# Altium PCB PCB.PcbDoc (part 1 of 2) (continued)
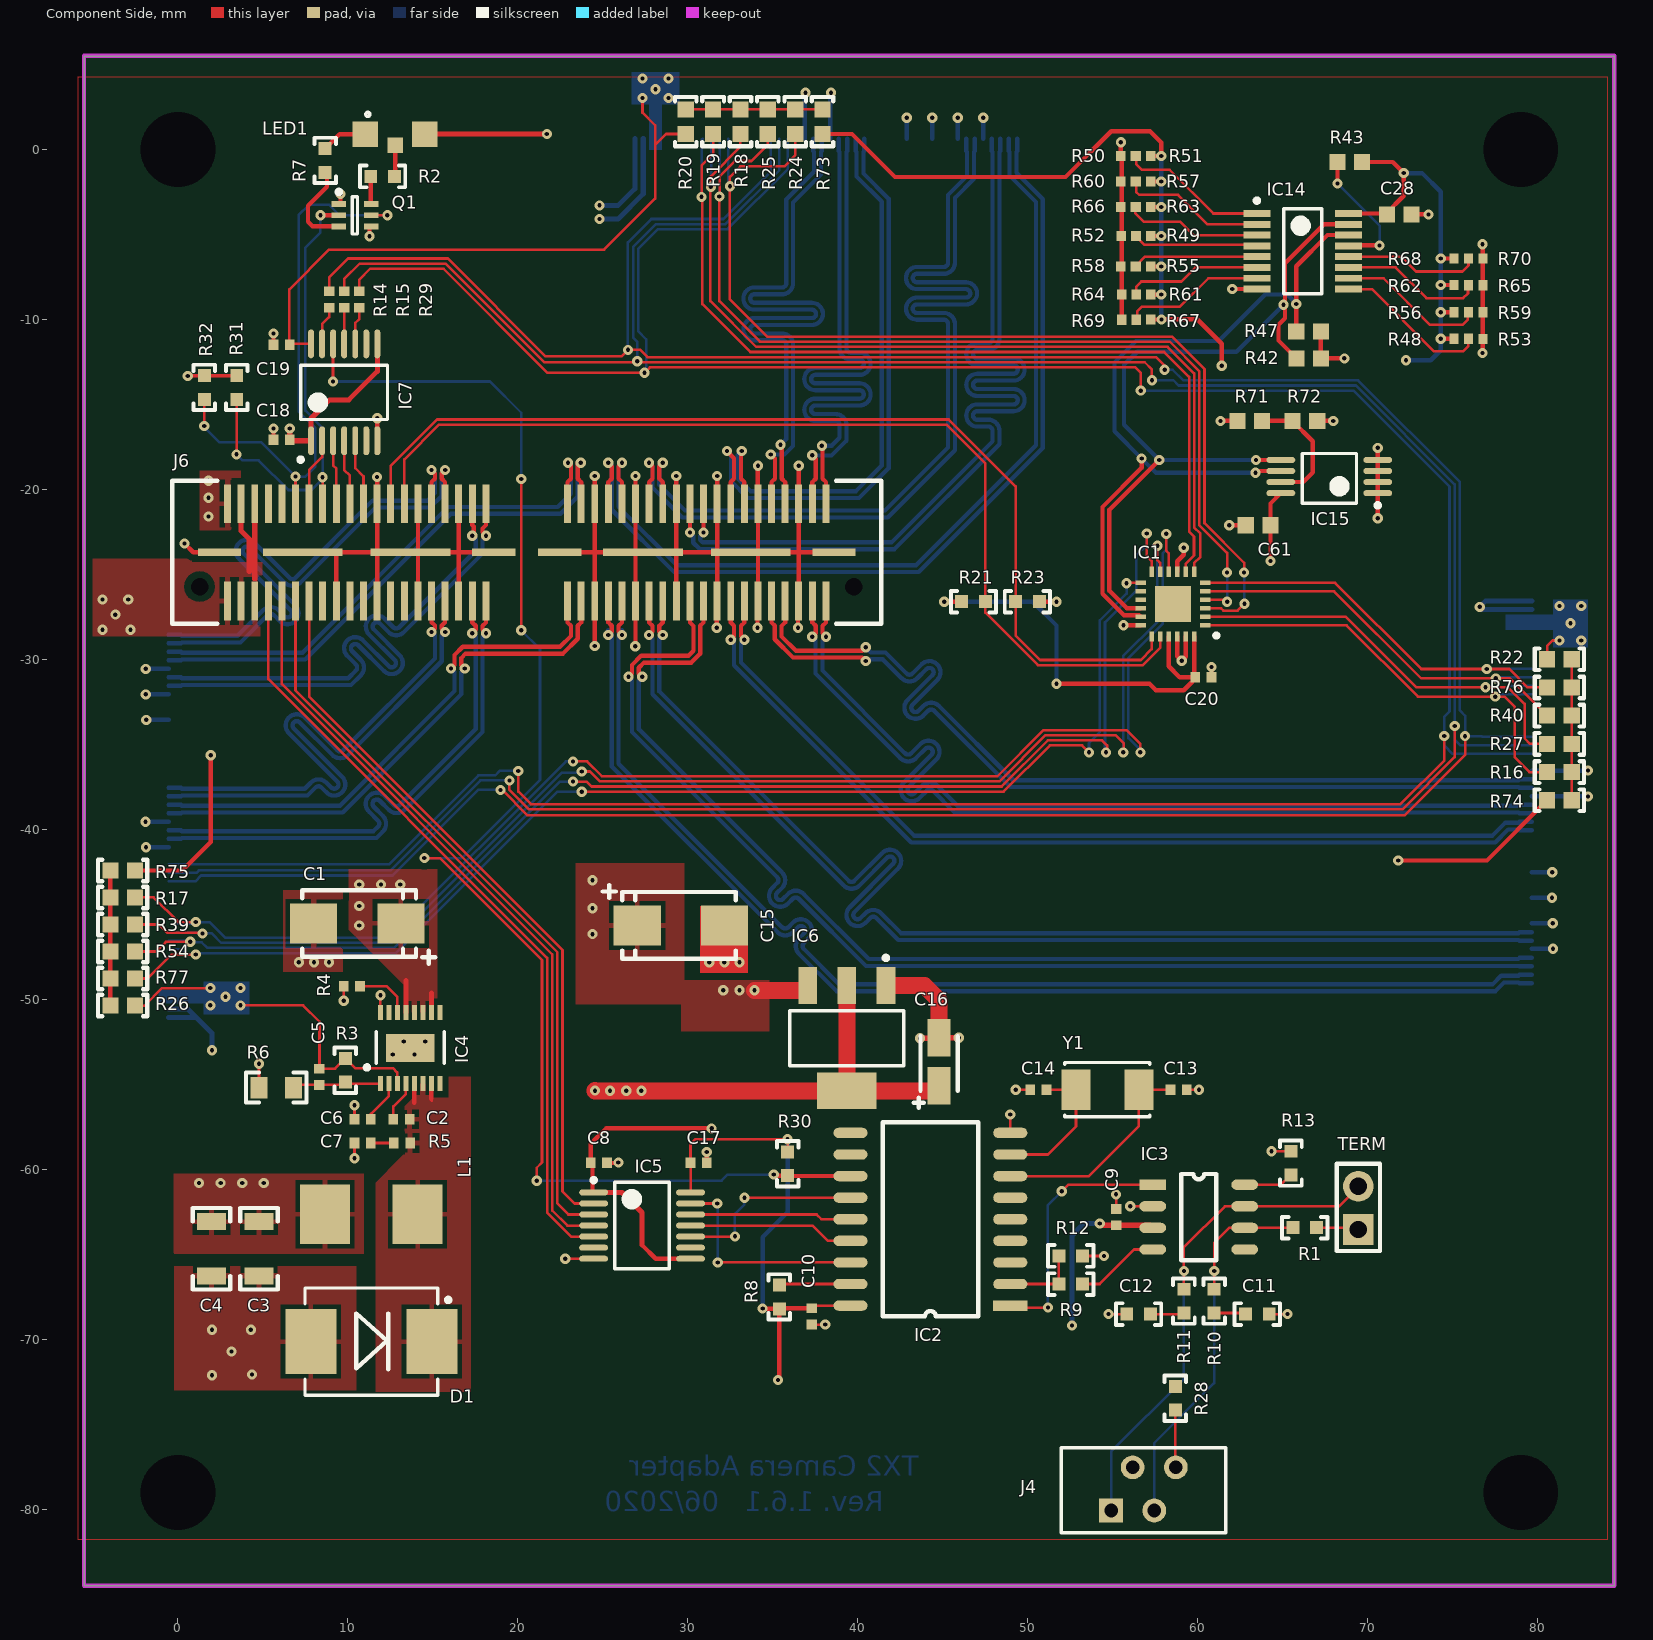
[diagram p0: Component Side view]
## Components (designator, comment, footprint, x,y, rotation, side; value= is the part's Value field where it differs from the comment) (continued)
SP4 "9774030960R" 9774030960 79,-79 r180 bottom
TERM "HEADER_1X2_male" "HEADER_1X2_male 2.54mm" 69.445,-63.529 r90 top
Y1 "20MHz" TXC_7A 54.679,-55.309 r0 top

## Footprints (in the part's own frame and the unit in brackets; to place one, negate y for a bottom-side part, rotate by r counter-clockwise, add the part's x,y. Pads: shape width x height; smd on the part's side, far side on the other; paste and mask are expansions set on the pad)
0402#1 [mm]
  rect 0.57x0.62 smd: 1(-0.48,0) 2(0.48,0)
  body extent -0.55,-0.3 0.55,0.3, height 0.5
0402#2 [mm]
  rect 0.55x0.6 smd: 1(-0.425,0) 2(0.425,0)
  body extent -0.5,-0.25 0.52,0.25, height 0.35
0603#1 [mil]
  rect 30x30 smd: 1(-27.5,0) 2(27.5,0)
  silkscreen extent -53,-25 52,25, body extent -30,-15 30,15, height 31
0603#2 [mil]
  rect 37.4x37.4 smd: 1(-28.54,0) 2(28.54,0)
  body extent -31,-16 32,16, height 18
0603#3 [mil]
  rect 30x30 smd: 1(0,0) 2(55,0)
  silkscreen extent -25,-25 80,25, body extent -5,-16 60,16, height 18
0805 [mil]
  rect 40x50 smd: 1(-40,0) 2(40,0)
  silkscreen extent -70,-35 70,35, body extent -41,-25 38,25, height 24
1206 [mm]
  rect 1.016x1.7 smd: 1(-1.6,0) 2(1.6,0)
  silkscreen extent -2.4,-1.1 2.4,1.1, body extent -2.1,-0.89 2.1,0.91, height 0.95
9774030960 [mm] "SMD Steel Spacer ? 3.3 Internal non stop, Length 3mm"
  round 7.4 / inner round 0 / far side round 0 hole 4.4 paste-403.566: 1(0,0)
  body extent -3,-2.99 2.98,2.99, height 3.01
68715014522_FLIPPED [mm] "50 pins"
  rect 0.3x1.2 smd: 1(12.25,0.99) 2(11.75,0.99) 3(11.25,0.99) 4(10.75,0.99) 5(10.25,0.99) 6(9.75,0.99) 7(9.25,0.99) 8(8.75,0.99) 9(8.25,0.99) 10(7.75,0.99) 11(7.25,0.99) 12(6.75,0.99) 13(6.25,0.99) 14(5.75,0.99) 15(5.25,0.99) 16(4.75,0.99) 17(4.25,0.99) 18(3.75,0.99) 19(3.25,0.99) 20(2.75,0.99) 21(2.25,0.99) 22(1.75,0.99) 23(1.25,0.99) 24(0.75,0.99) 25(0.25,0.99) 26(-0.25,0.99) 27(-0.75,0.99) 28(-1.25,0.99) 29(-1.75,0.99) 30(-2.25,0.99) 31(-2.75,0.99) 32(-3.25,0.99) 33(-3.75,0.99) 34(-4.25,0.99) 35(-4.75,0.99) 36(-5.25,0.99) 37(-5.75,0.99) 38(-6.25,0.99) 39(-6.75,0.99) 40(-7.25,0.99) 41(-7.75,0.99) 42(-8.25,0.99) 43(-8.75,0.99) 44(-9.25,0.99) 45(-9.75,0.99) 46(-10.25,0.99) 47(-10.75,0.99) 48(-11.25,0.99) 49(-11.75,0.99) 50(-12.25,0.99)
  rect 2.7x3 smd: M(-14.18,-0.99) M(14.18,-0.99)
  silkscreen extent -15.8,-3.71 15.8,1.89, body extent -15.7,-3.71 15.7,1.39, height 2.06
DBQ0016A [mm]
  rect 1.6x0.41 smd: 1(-2.7,2.222) 2(-2.7,1.587) 3(-2.7,0.953) 4(-2.7,0.318) 5(-2.7,-0.318) 6(-2.7,-0.953) 7(-2.7,-1.587) 8(-2.7,-2.222) 9(2.7,-2.222) 10(2.7,-1.587) 11(2.7,-0.953) 12(2.7,-0.318) 13(2.7,0.318) 14(2.7,0.953) 15(2.7,1.587) 16(2.7,2.222)
  silkscreen extent -2.82,-2.5 1.13,3.1, body extent -2,-2.5 2,2.5, height 1.75
"HEADER_1X2_male 2.54mm" [mm] "Pinhead male 1x2 pitch 2.54mm straight"
  rect 1.8x1.8 hole 1.02: 1(0,0)
  round 1.8 hole 1.02: 2(2.54,0)
  silkscreen extent -1.27,-1.27 3.86,1.27, body extent -1.17,-1.25 3.91,1.25, height 8.33
KEMET_A [mm] "Kemet A size package. Low desity level"
  rect 2.2x1.35 smd: 1(-1.41,0) 2(1.41,0)
  silkscreen extent -2.71,-1.1 1.49,1.5, body extent -1.81,-0.9 1.59,0.9, height 1.81
KEMET_C [mm] "Kemet C size package. Low desity level"
  rect 2.77x2.35 smd: 1(-2.57,0) 2(2.57,0)
  silkscreen extent -4.6,-1.95 3.23,2.38, body extent -3.25,-1.73 3.05,1.77, height 2.81
LED-LiteON-LTST-S326KGJRKT [mm] "LED LiteON LTST-S326KGJRKT Red Green"
  rect 1.5x1.5 smd: A(1.75,0) C1(-1.75,0)
  rect 0.9x0.9 smd: C2(0,-0.65)
  silkscreen extent -1.72,1.04 -1.49,1.28, body extent -1.5,-0.5 1.5,1.5, height 1
LT3976EMSE [mm]
  rect 0.889x0.305 smd: 1(-2.095,1.75) 2(-2.095,1.25) 3(-2.095,0.75) 4(-2.095,0.25) 8(-2.095,-1.75) 9(2.095,-1.75) 13(2.095,0.25) 14(2.095,0.75) 15(2.095,1.25) 16(2.095,1.75) SW(-2.095,-1.25) SW(-2.095,-0.75) SW(-2.095,-0.25) VIN(2.095,-1.25) VIN(2.095,-0.75) VIN(2.095,-0.25)
  rect 1.651x2.845 smd: GND(0,0)
  silkscreen extent -1.27,-2 0.95,2.66, body extent -1.65,-2.03 1.65,2.03, height 1.1
QTE-040-03-L-D-A [mm]
  round 0 hole 1.02 unplated: 0(-19.24,2.03) 0(19.24,2.03)
  rect 0.41x2.27 smd: 1(-17.603,2.87) 2(-17.603,-2.86) 3(-16.803,2.87) 4(-16.803,-2.86) 5(-16.003,2.87) 6(-16.003,-2.86) 7(-15.203,2.87) 8(-15.203,-2.86) 9(-14.403,2.87) 10(-14.403,-2.86) 11(-13.603,2.87) 12(-13.603,-2.86) 13(-12.803,2.87) 14(-12.803,-2.86) 15(-12.003,2.87) 16(-12.003,-2.86) 17(-11.203,2.87) 18(-11.203,-2.86) 19(-10.403,2.87) 20(-10.403,-2.86) 21(-9.603,2.87) 22(-9.603,-2.86) 23(-8.803,2.87) 24(-8.803,-2.86) 25(-8.003,2.87) 26(-8.003,-2.86) 27(-7.203,2.87) 28(-7.203,-2.86) 29(-6.403,2.87) 30(-6.403,-2.86) 31(-5.603,2.87) 32(-5.603,-2.86) 33(-4.803,2.87) 34(-4.803,-2.86) 35(-4.003,2.87) 36(-4.003,-2.86) 37(-3.203,2.87) 38(-3.203,-2.86) 39(-2.403,2.87) 40(-2.403,-2.86) 41(2.4,2.87) 42(2.4,-2.86) 43(3.2,2.87) 44(3.2,-2.86) 45(4,2.87) 46(4,-2.86) 47(4.8,2.87) 48(4.8,-2.86) 49(5.6,2.87) 50(5.6,-2.86) 51(6.4,2.87) 52(6.4,-2.86) 53(7.2,2.87) 54(7.2,-2.86) 55(8,2.87) 56(8,-2.86) 57(8.8,2.87) 58(8.8,-2.86) 59(9.6,2.87) 60(9.6,-2.86) 61(10.4,2.87) 62(10.4,-2.86) 63(11.2,2.87) 64(11.2,-2.86) 65(12,2.87) 66(12,-2.86) 67(12.8,2.87) 68(12.8,-2.86) 69(13.6,2.87) 70(13.6,-2.86) 71(14.4,2.87) 72(14.4,-2.86) 73(15.2,2.87) 74(15.2,-2.86) 75(16,2.87) 76(16,-2.86) 77(16.8,2.87) 78(16.8,-2.86) 79(17.6,2.87) 80(17.6,-2.86)
  rect 2.54x0.43 smd: 81(-18.069,-0.002) 84(-1.942,-0.002) 85(1.942,-0.001) 88(18.069,-0.001)
  rect 4.7x0.43 smd: 82(-13.178,-0.002) 83(-6.832,-0.001) 86(6.832,-0.001) 87(13.178,-0.001)
  silkscreen extent -20.86,-4.2 20.86,4.2, body extent -20.03,-3.56 19.97,3.56, height 10.06
SMC-403-03 [mm] "SMC-403-03 package"
  rect 3x3.81 smd: A(-3.56,0) C(3.56,0)
  silkscreen extent -3.9,-3.15 4.65,3.15, body extent -4.13,-3.13 3.87,2.82, height 2.2
SOIC-8 [mil]
  rect 62x24 smd: 1(0,0)
  oval 62x24 smd: 2(0,-50) 3(0,-100) 4(0,-150) 5(213,-150) 6(213,-100) 7(213,-50) 8(213,0)
  silkscreen extent 66,-175 147,25, body extent -17,-173 227,23, height 69
SOIC-18 [mil]
  rect 79x24 smd: 1(0,0)
  oval 79x24 smd: 2(0,-50) 3(0,-100) 4(0,-150) 5(0,-200) 6(0,-250) 7(0,-300) 8(0,-350) 9(0,-400) 10(370,-400) 11(370,-350) 12(370,-300) 13(370,-250) 14(370,-200) 15(370,-150) 16(370,-100) 17(370,-50) 18(370,0)
  silkscreen extent 74,-425 296,25, body extent -13,-427 393,27, height 104
SOT223 [mm] "SOT-223/SC-73; 4 Leads; Body 6.7 x 7.3 mm, inc. leads (LxW max)"
  rect 1.1x2.15 smd: 1(-2.3,-3.1) 2(0,-3.1) 3(2.3,-3.1)
  rect 3.5x2.15 smd: 4(0,3.1)
  silkscreen extent -3.35,-4.85 3.35,1.63, body extent -3.25,-3.48 3.25,3.48, height 1.61
SOT-363 [mm] "6-Leads, Body 2.00x2.10mm, Pitch 0.65mm, IPC Medium Density"
  rect 0.85x0.35 smd: 1(-0.95,0.65) 2(-0.95,0) 3(-0.95,-0.65) 4(0.95,-0.65) 5(0.95,0) 6(0.95,0.65)
  silkscreen extent -1.07,-1.1 0.15,1.5, body extent -1.15,-1.05 1.15,1.05, height 1
TSSOP-8 [mm]
  oval 1.7x0.35 smd: 1(-2.85,0.975) 2(-2.85,0.325) 3(-2.85,-0.325) 4(-2.85,-0.975) 5(2.85,-0.975) 6(2.85,-0.325) 7(2.85,0.325) 8(2.85,0.975)
  silkscreen extent -2.97,-1.36 1.6,1.82, body extent -3.2,-1.5 3.2,1.5, height 1.21
TSSOP-14 [mm]
  oval 1.7x0.35 smd: 1(-2.85,1.95) 2(-2.85,1.3) 3(-2.85,0.65) 4(-2.85,0) 5(-2.85,-0.65) 6(-2.85,-1.3) 7(-2.85,-1.95) 8(2.85,-1.95) 9(2.85,-1.3) 10(2.85,-0.65) 11(2.85,0) 12(2.85,0.65) 13(2.85,1.3) 14(2.85,1.95)
  silkscreen extent -2.97,-2.55 1.6,2.8, body extent -2.25,-2.55 2.25,2.55, height 1.1
TXC_7A [mm]
  rect 1.7x2.4 smd: 1(-1.85,0) 2(1.85,0)
  silkscreen extent -2.5,-1.6 2.5,1.6, body extent -2.58,-1.68 2.58,1.68, height 1.35
VQFN-24 [mm]
  rect 2.1x2.1 smd: 0(0,0)
  rect 0.25x0.6 smd: 1(1.25,1.9) 2(0.75,1.9) 3(0.25,1.9) 4(-0.25,1.9) 5(-0.75,1.9) 6(-1.25,1.9) 13(-1.25,-1.9) 14(-0.75,-1.9) 15(-0.25,-1.9) 16(0.25,-1.9) 17(0.75,-1.9) 18(1.25,-1.9)
  rect 0.6x0.25 smd: 7(-1.9,1.25) 8(-1.9,0.75) 9(-1.9,0.25) 10(-1.9,-0.25) 11(-1.9,-0.75) 12(-1.9,-1.25) 19(1.9,-1.25) 20(1.9,-0.75) 21(1.9,-0.25) 22(1.9,0.25) 23(1.9,0.75) 24(1.9,1.25)
  silkscreen extent 1.76,2.46 1.94,2.64, body extent -2.01,-2.01 2.01,2.01, height 0.8
WE-LHMI [mm]
  rect 2.95x3.5 smd: 1(-2.725,0) 2(2.725,0)
  body extent -3.71,-3.17 3.59,3.43, height 4.81
WE_690368190472 [mm] "Female Connector, THT, Angled, 04p"
  rect 1.4x1.4 hole 0.8: 1(-1.905,-1.27)
  round 1.4 hole 0.8: 2(-0.635,1.27) 3(0.635,-1.27) 4(1.905,1.27)
  silkscreen extent -4.84,-2.58 4.84,2.42, body extent -4.84,-2.58 4.84,2.42, height 5.85

## Part data
C1: library part C_22u_KEMET_C, "Tantalum SMT Capacitor 22uF Case KEMET_C"
C2: library part C_470n_0402_16V, "MLCC SMT Capacitor 470nF 0402 16V"
C3 C4: library part C_47u_1206, "MLCC SMT Capacitor 47uF 1206"
C5: library part C_10p_0402, "MLCC SMT Capacitor 10pF 0402"
C6: library part C_10n_0402, "MLCC SMT Capacitor 10nF 0402"
C7: library part C_470p_0402, "MLCC SMT Capacitor 470pF 0402"
C8 C9 C10 C17 C18 C19 C20: library part C_100n_0402, "MLCC SMT Capacitor 100nF 0402"
C11 C12: library part C_560p_0603, "MLCC SMT Capacitor 560pF 0603"
C13 C14: library part C_18p_0402, "MLCC SMT Capacitor 18pF 0603"
C15: library part C_10u_KEMET_C, "Tantalum SMT Capacitor 10uF Case KEMET_C"
C16: library part C_10u_KEMET_A, "Tantalum SMT Capacitor 10uF Case KEMET_A"
C28 C61: library part C_100n_0603, "MLCC SMT Capacitor 100nF 0603"
D1: "ON SEMICONDUCTOR  MBRS540T3G  Rectifier Diode, Single, 40 V, 5 A, 500 mV, 190 A, 150 °C"
IC1: "TCA9548ARGER  I2C SWITCH W/ RESET, 8-CH, VQFN-24"
IC2: library part MCP2515-I/SO, "CAN CONTROLLER, SPI, 1MBPS"
IC3: library part MCP2551-I/SN, "MCP2551-I/SN  IC, CAN TRANSCEIVER, HI SPEED, SMD"
IC4: "LINEAR TECHNOLOGY  LT3976EMSE#PBF  DC-DC CONVERTER, 2MHZ, 5A, MSOP-16"
IC5 IC7: "4 bit voltage level translator"
IC6: library part NCV1117ST50T3G, "ON SEMICONDUCTOR  NCV1117ST50T3G  Fixed LDO Voltage Regulator, 20V in, 1.07V Dropout, 5V/1A out, SOT-223-3"
IC14: "Remote 8bit I2C SMBus I/O expander"
IC15: library part RM24C128DS, "EEPROM with UID and OTP registers."
J1 J2 J3: library part WE-687-150-145-22_FLIPPED, "0.50mm SMT ZIF Horizontal Bottom Contact WR-FPC"
J6: "SAMTEC  QTE-040-03-L-D-A  Stacking Board Connector, Dual Row, QTE Series, 80 Contacts, Header, 0.8 mm, Surface Mount"
L1: library part Wurth-74437346033, "3.3 uH, 5.0A, 0.03 ohm, SMD Power Inductor"
LED1: "Standard LEDs - SMD Green/Red Clear 571nm/631nm"
Q1: "20 V, dual N-channel Trench MOSFET"
R1: library part R_120R_0603, "SMT Resistor 120R 0603"
R2 R7: library part R_470R_0603, "SMT Resistor 470R 0603"
R3: library part R_1M_0603_0.1%, "SMT Resistor 1M 0603 0.1%"
R4: library part R_130k_0402, "SMT Resistor 2R 0402"
R5: library part R_2R_0402, "SMT Resistor 2R 0402"
R6: library part R_576k_0805_0.1%, "SMT Resistor 576k 0805 0.1%"
R8 R13: library part R_4k7_0603, "SMT Resistor 4k7 0603"
R9 R30: library part R_10k_0603, "SMT Resistor 10k 0603"
R10 R11: library part R_100R_0603, "SMT Resistor 100R 0603"
R12: library part R_18k_0603, "SMT Resistor 18k 0603"
R14 R15 R29 R48 R49 R50 R51 R52 R53 R55 R56 R57 R58 R59 R60 R61 R62 R63 R64 R65 R66 R67 R68 R69 R70: library part R_0R_0402, "SMT Resistor 0402"
R16 R17 R18 R19 R21 R23 R24 R25 R27 R31 R32 R39 R40 R54 R76 R77: library part R_2k_0603, "SMT Resistor 2k 0603"
R20 R22 R26 R28 R71 R72 R73 R74 R75: library part R_0R_0603, "SMT Resistor 0R 0603"
R42 R43 R47: library part R_2k2_0603, "SMT Resistor 2k2 0603"
SP1 SP2 SP3 SP4: library part 9774030960, "ROUND SPACER STEEL 3MM unthreaded"
TERM: "1x2 pinhead male"
Y1: library part CRYSTAL_20MHz_SMD_TXC, "CRYSTAL, 20.000MHZ"

## Via types
v1: diameter 0.6, hole 0.25, Component Side to Solder Side, 259 vias
v2: diameter 0.6, hole 0.25, Component Side to Solder Side, tented both sides, 4 vias
v3: diameter 0.6, hole 0.25, Component Side to Solder Side, tented bottom, 1 vias

## Nets (pads, with @x,y where several pads share a name; then routed paths per layer and width w, separated by ;. In a path a pad name is that pad's centre, name@x,y a point inside that pad or via, vN(x,y) a via of type N, cw(c..) or ccw(c..) an arc to the next point about the centre after c; other vN are vias at no path point)
1V8: C8.2 C18.2 C20.2 C28.2 C61.2 IC1.21 IC1.24 IC5.1 IC5.8 IC7.1 IC7.8 IC14.16 IC15.8 J6.80 R21.1 R23.1 R42.2 R43.2 R47.2 R48.2 R49.2 R51.1 R55.2 R56.2 R57.1 R61.2 R62.2 R63.1 R67.2 R68.2 R71.2 R73.1 R74.1 R75.1 | length 153.8
  Component Side w0.254: R75.1@-2.529,-42.407 0.253,-42.407 1.926,-40.734 v1(1.926,-35.637) ; C8.2@24.285,-59.719 24.387,-59.719 24.387,-61.282 IC5.1@24.455,-61.35 ; C8.2@24.285,-59.617 24.285,-58.493 25.196,-57.582 v1(31.396,-57.582) ; 27.305,-64.443 28.112,-65.25 IC5.8@30.155,-65.25 ; R73.1@37.921,0.918 39.655,0.918 42.188,-1.615 52.212,-1.615 54.903,1.076 57.186,1.076 57.85,0.412 v1(57.85,-0.382) R51.1@57.221,-0.382 ; v1(45.085,-26.597) R21.1@46.101,-26.597 ; R23.1@50.673,-26.597 v1(51.689,-26.597) ; v1(51.689,-31.423) 57.15,-31.423 57.531,-31.804 59.171,-31.804 59.845,-31.13 C20.2@59.845,-31.042 ; R61.2@57.221,-8.532 v1(57.85,-8.532) ; R55.2@57.221,-6.882 v1(57.85,-6.882) ; R49.2@57.221,-5.082 v1(57.85,-5.082) ; R63.1@57.221,-3.382 v1(57.85,-3.382) ; R57.1@57.221,-1.882 v1(57.85,-1.882) ; R67.2@57.235,-9.999 v1(57.864,-9.999) ; v1@57.85,-9.985 59.96,-9.985 61.403,-11.428 v1(61.403,-12.714) ; IC1.21@58.286,-28.638 58.286,-30.4 58.928,-31.042 C20.2@59.845,-31.042 ; IC1.24@59.786,-28.638 59.786,-30.983 C20.2@59.845,-31.042 ; v1(61.327,-15.962) R71.2@62.333,-15.962 ; v1(64.27,-24.201) C61.2@64.27,-22.097 64.27,-20.82 IC15.8@64.882,-20.208 ; R42.2@67.235,-12.273 R47.2@67.235,-10.693 ; R42.2@67.245,-12.283 v1(68.619,-12.283) ; IC14.16@68.871,-3.759 71.067,-3.759 72.114,-2.713 v1(72.114,-1.384) 71.463,-0.733 R43.2@69.664,-0.733 ; v1(71.784,-41.819) 77.009,-41.819 R74.1@80.546,-38.282 ; v1@74.199,-6.407 v1(74.292,-6.407) R68.2@75.071,-6.407 ; v1@74.234,-11.132 v1(74.292,-11.132) R48.2@75.071,-11.132 ; v1(74.292,-7.966) R62.2@75.071,-7.966 ; v1@74.294,-9.567 R56.2@75.071,-9.567
  Component Side w0.3: v1(6.576,-16.402) C18.2@6.576,-17.072 6.632,-17.128 IC7.1@7.829,-17.128 7.829,-15.822 8.928,-14.722 10.046,-14.722 11.729,-13.039 IC7.8@11.729,-11.428 ; IC5.1@24.455,-61.35 26.117,-61.35 27.305,-62.538 27.305,-64.443
  Solder Side w0.254: v1(45.085,-26.597) 50.292,-26.597 ; v1(51.689,-31.423) 51.689,-27.994 50.292,-26.597 ; v1(51.689,-26.597) 50.292,-26.597 ; v1@57.85,-9.985 v1(57.864,-9.999) ; v1@57.85,-9.754 v1(57.85,-8.532) v1(57.85,-6.882) v1(57.85,-5.082) v1(57.85,-3.382) v1(57.85,-1.882) v1(57.85,-0.382) ; v1(72.114,-1.384) 73.19,-1.384 74.292,-2.486 v1(74.292,-6.407) v1(74.292,-7.966) v1(74.292,-9.567) v1(74.292,-11.132) 74.292,-11.801 73.703,-12.39 v1(72.24,-12.39)
  other v1: 1.796,-21.582 1.796,-20.482 1.796,-19.482
3V3: C3.2 C4.2 C5.1 C10.1 C17.1 C19.1 IC2.18 IC4.3 IC5.14 IC7.14 J1.47 J1.48 J2.47 J2.48 J3.47 J3.48 L1.2 R3.1 R8.2 R20.1 R22.1 R26.1 R30.2 | length 85.9
  Component Side w0.152: R26.1@-2.529,-50.357 -1.954,-50.357 -0.927,-49.33 v1(1.905,-49.33) ; v1(3.683,-50.346) 7.36,-50.346 8.324,-51.31 C5.1@8.324,-54.067 9.248,-54.067 R3.1@9.848,-53.468 10.419,-54.039 12.642,-54.039 12.896,-54.293 12.896,-54.937 IC4.3@12.908,-54.949 ; C19.1@6.576,-11.484 6.553,-11.484 6.553,-8.224 8.896,-5.882 25.071,-5.882 28.067,-2.886 28.067,0.261 ; C19.1@6.632,-11.428 IC7.14@7.829,-11.428 ; v1(27.33,3.04) 27.33,2.168 28.067,1.431 28.067,0.261 ; R20.1@29.871,0.918 28.724,0.918 28.067,0.261 ; C17.1@30.152,-59.617 30.152,-58.525 30.458,-58.22 v1(35.865,-58.22) R30.2@35.865,-58.969 ; IC5.14@30.155,-61.35 C17.1@30.155,-59.586 ; C10.1@37.435,-68.009 IC2.18@39.566,-68.009 ; R22.1@80.546,-29.982 80.546,-29.207 80.87,-28.883 v1(81.28,-28.883)
  Component Side w0.254: v1(34.396,-68.182) 34.413,-68.2 R8.2@35.375,-68.2 35.375,-72.303 v1(35.296,-72.382) ; R8.2@35.41,-68.164 C10.1@37.28,-68.164
  Solder Side w0.254: v1(34.396,-68.182) 34.396,-63.982 35.865,-62.513 v1(35.865,-58.22)
  other v1: 1.24,-60.798 2.51,-60.798 3.78,-60.798 5.05,-60.798 1.905,-50.346 2.794,-49.838 3.683,-49.33 82.55,-28.883 81.915,-27.867 81.28,-26.851 82.55,-26.851 28.854,3.04 28.092,3.548 27.33,4.183 28.854,4.183
5V0: C9.1 C16.1 IC3.3 IC6.2 IC6.4 J1.49 J1.50 J2.49 J2.50 J3.49 J3.50 LED1.A | length 67.8
  Component Side w0.3: LED1.A@14.526,0.911 v1(21.702,0.911) ; v1@54.338,-63.282 C9.1@55.187,-63.282 IC3.3@57.191,-63.282
  Component Side w1: v1(24.533,-55.362) 24.547,-55.377 IC6.4@39.348,-55.377 ; IC6.2@39.348,-49.177 IC6.4@39.348,-55.377 ; C16.1@44.778,-55.072 44.473,-55.377 IC6.4@39.348,-55.377
  Solder Side w0.3: J3.50@-0.55,-51.049 1.063,-51.049 ; J3.49@-0.55,-50.549 0.563,-50.549 1.063,-51.049 ; v1(1.996,-52.982) 1.996,-51.982 1.063,-51.049 ; v1(24.796,-4.082) 25.896,-4.082 27.375,-2.603 J1.49@27.375,0.643 ; v1(24.796,-3.282) 25.896,-3.282 26.875,-2.303 J1.50@26.875,0.643 ; v1(52.596,-69.182) 52.596,-63.882 53.305,-63.173 v1(54.229,-63.173) ; J2.49@79.643,-27.049 76.728,-27.049 v1(76.581,-26.902) 76.934,-26.549 J2.50@79.643,-26.549
  other v1: 25.419,-55.367 26.372,-55.367 27.261,-55.367
A0: IC14.1 R50.2 R51.2 | length 8.8
  Component Side w0.152: R51.2@56.371,-0.382 56.371,-0.855 56.705,-1.189 58.346,-1.189 60.916,-3.759 IC14.1@63.471,-3.759
A1: IC14.2 R57.2 R60.2 | length 8.5
  Component Side w0.152: R57.2@56.371,-1.882 56.371,-2.482 56.553,-2.664 58.83,-2.664 60.56,-4.394 IC14.2@63.471,-4.394
A2: IC14.3 R63.2 R66.2 | length 8.1
  Component Side w0.152: R66.2@56.321,-3.382 56.321,-3.754 56.808,-4.241 58.944,-4.241 59.732,-5.029 IC14.3@63.471,-5.029
ACTIVE: J4.4 R28.2 | length 3.3
  Component Side w0.152: J4.4@58.674,-77.493 R28.2@58.674,-74.158
CAM0_SCL: IC1.2 J2.40 R27.1 | length 27.2
  Component Side w0.152: IC1.2@60.436,-27.488 68.709,-27.488 72.854,-31.633 v1(76.919,-31.633) 78.247,-31.633 79.221,-32.607 79.221,-34.632 79.551,-34.962 R27.1@80.546,-34.962
  Solder Side w0.152: v1(76.919,-31.633) 78.265,-31.633 78.349,-31.549 J2.40@79.643,-31.549
CAM0_SDA: IC1.1 J2.39 R16.1 | length 27.7
  Component Side w0.152: IC1.1@60.436,-27.988 68.752,-27.988 72.946,-32.183 v1(77.499,-32.183) 78.046,-32.183 78.646,-32.782 78.646,-35.757 79.511,-36.622 R16.1@80.546,-36.622
  Solder Side w0.152: v1(77.499,-32.183) 77.504,-32.178 77.504,-32.049 J2.39@79.643,-32.049
CAM1_PWDN_1V8: IC7.5 J6.60 | length 3.9
  Component Side w0.152: IC7.5@10.429,-17.128 10.429,-18.738 10.916,-19.225 J6.60@10.916,-20.826
CAM1_PWDN_3V3: J1.32 J2.32 J3.32 R29.2 | length 193.4
  Component Side w0.152: R29.2@10.668,-8.337 10.668,-7.649 11.306,-7.011 15.623,-7.011 21.744,-13.132 v1(27.446,-13.132) 27.764,-12.813 56.327,-12.813 56.646,-13.132 v1(56.646,-14.182) ; v1(20.015,-36.554) 20.026,-36.564 20.026,-37.768 20.77,-38.512 23.393,-38.512 71.915,-38.512 74.498,-35.929 v1(74.498,-34.496)
  Solder Side w0.152: J3.32@-0.55,-42.049 12.428,-42.049 17.666,-36.811 18.666,-36.811 18.923,-36.554 v1(20.015,-36.554) ; v1(27.446,-13.132) 27.547,-13.031 27.547,-11.158 27.075,-10.686 27.075,-5.853 28.242,-4.686 32.332,-4.686 35.875,-1.143 J1.32@35.875,0.643 ; v1(56.646,-14.182) 69.169,-14.182 74.806,-19.819 74.806,-33.047 74.498,-33.354 v1(74.498,-34.496) 74.498,-35.06 74.988,-35.549 J2.32@79.643,-35.549
CAM1_SCL: IC1.4 J1.40 R25.1 | length 60.5
  Component Side w0.152: R25.1@34.701,0.918 34.701,0.298 33.73,-0.673 32.759,-0.673 31.876,-1.556 31.876,-2.736 v1(31.85,-2.761) 31.85,-8.911 34.242,-11.303 58.346,-11.303 60.088,-13.046 60.088,-22.101 61.721,-23.734 v1(61.721,-24.882) ; IC1.4@60.436,-26.488 61.613,-26.488 v1(61.722,-26.597)
  Solder Side w0.152: v1(31.85,-2.761) 31.876,-2.736 J1.40@31.875,0.643 ; v1(61.721,-24.882) 61.722,-24.883 v1(61.722,-26.597)
CAM1_SDA: IC1.3 J1.39 R24.1 | length 62.6
  Component Side w0.152: R24.1@36.311,0.918 36.311,-0.342 35.671,-0.982 33.096,-0.982 32.471,-1.607 v1(32.471,-2.157) 32.471,-8.807 34.665,-11.001 58.471,-11.001 60.39,-12.921 60.39,-21.976 62.721,-24.307 v1(62.721,-24.882) ; IC1.3@60.436,-26.988 61.369,-26.988 61.504,-27.123 62.339,-27.123 v1(62.738,-26.724)